# KiCad board panel.kicad_pcb
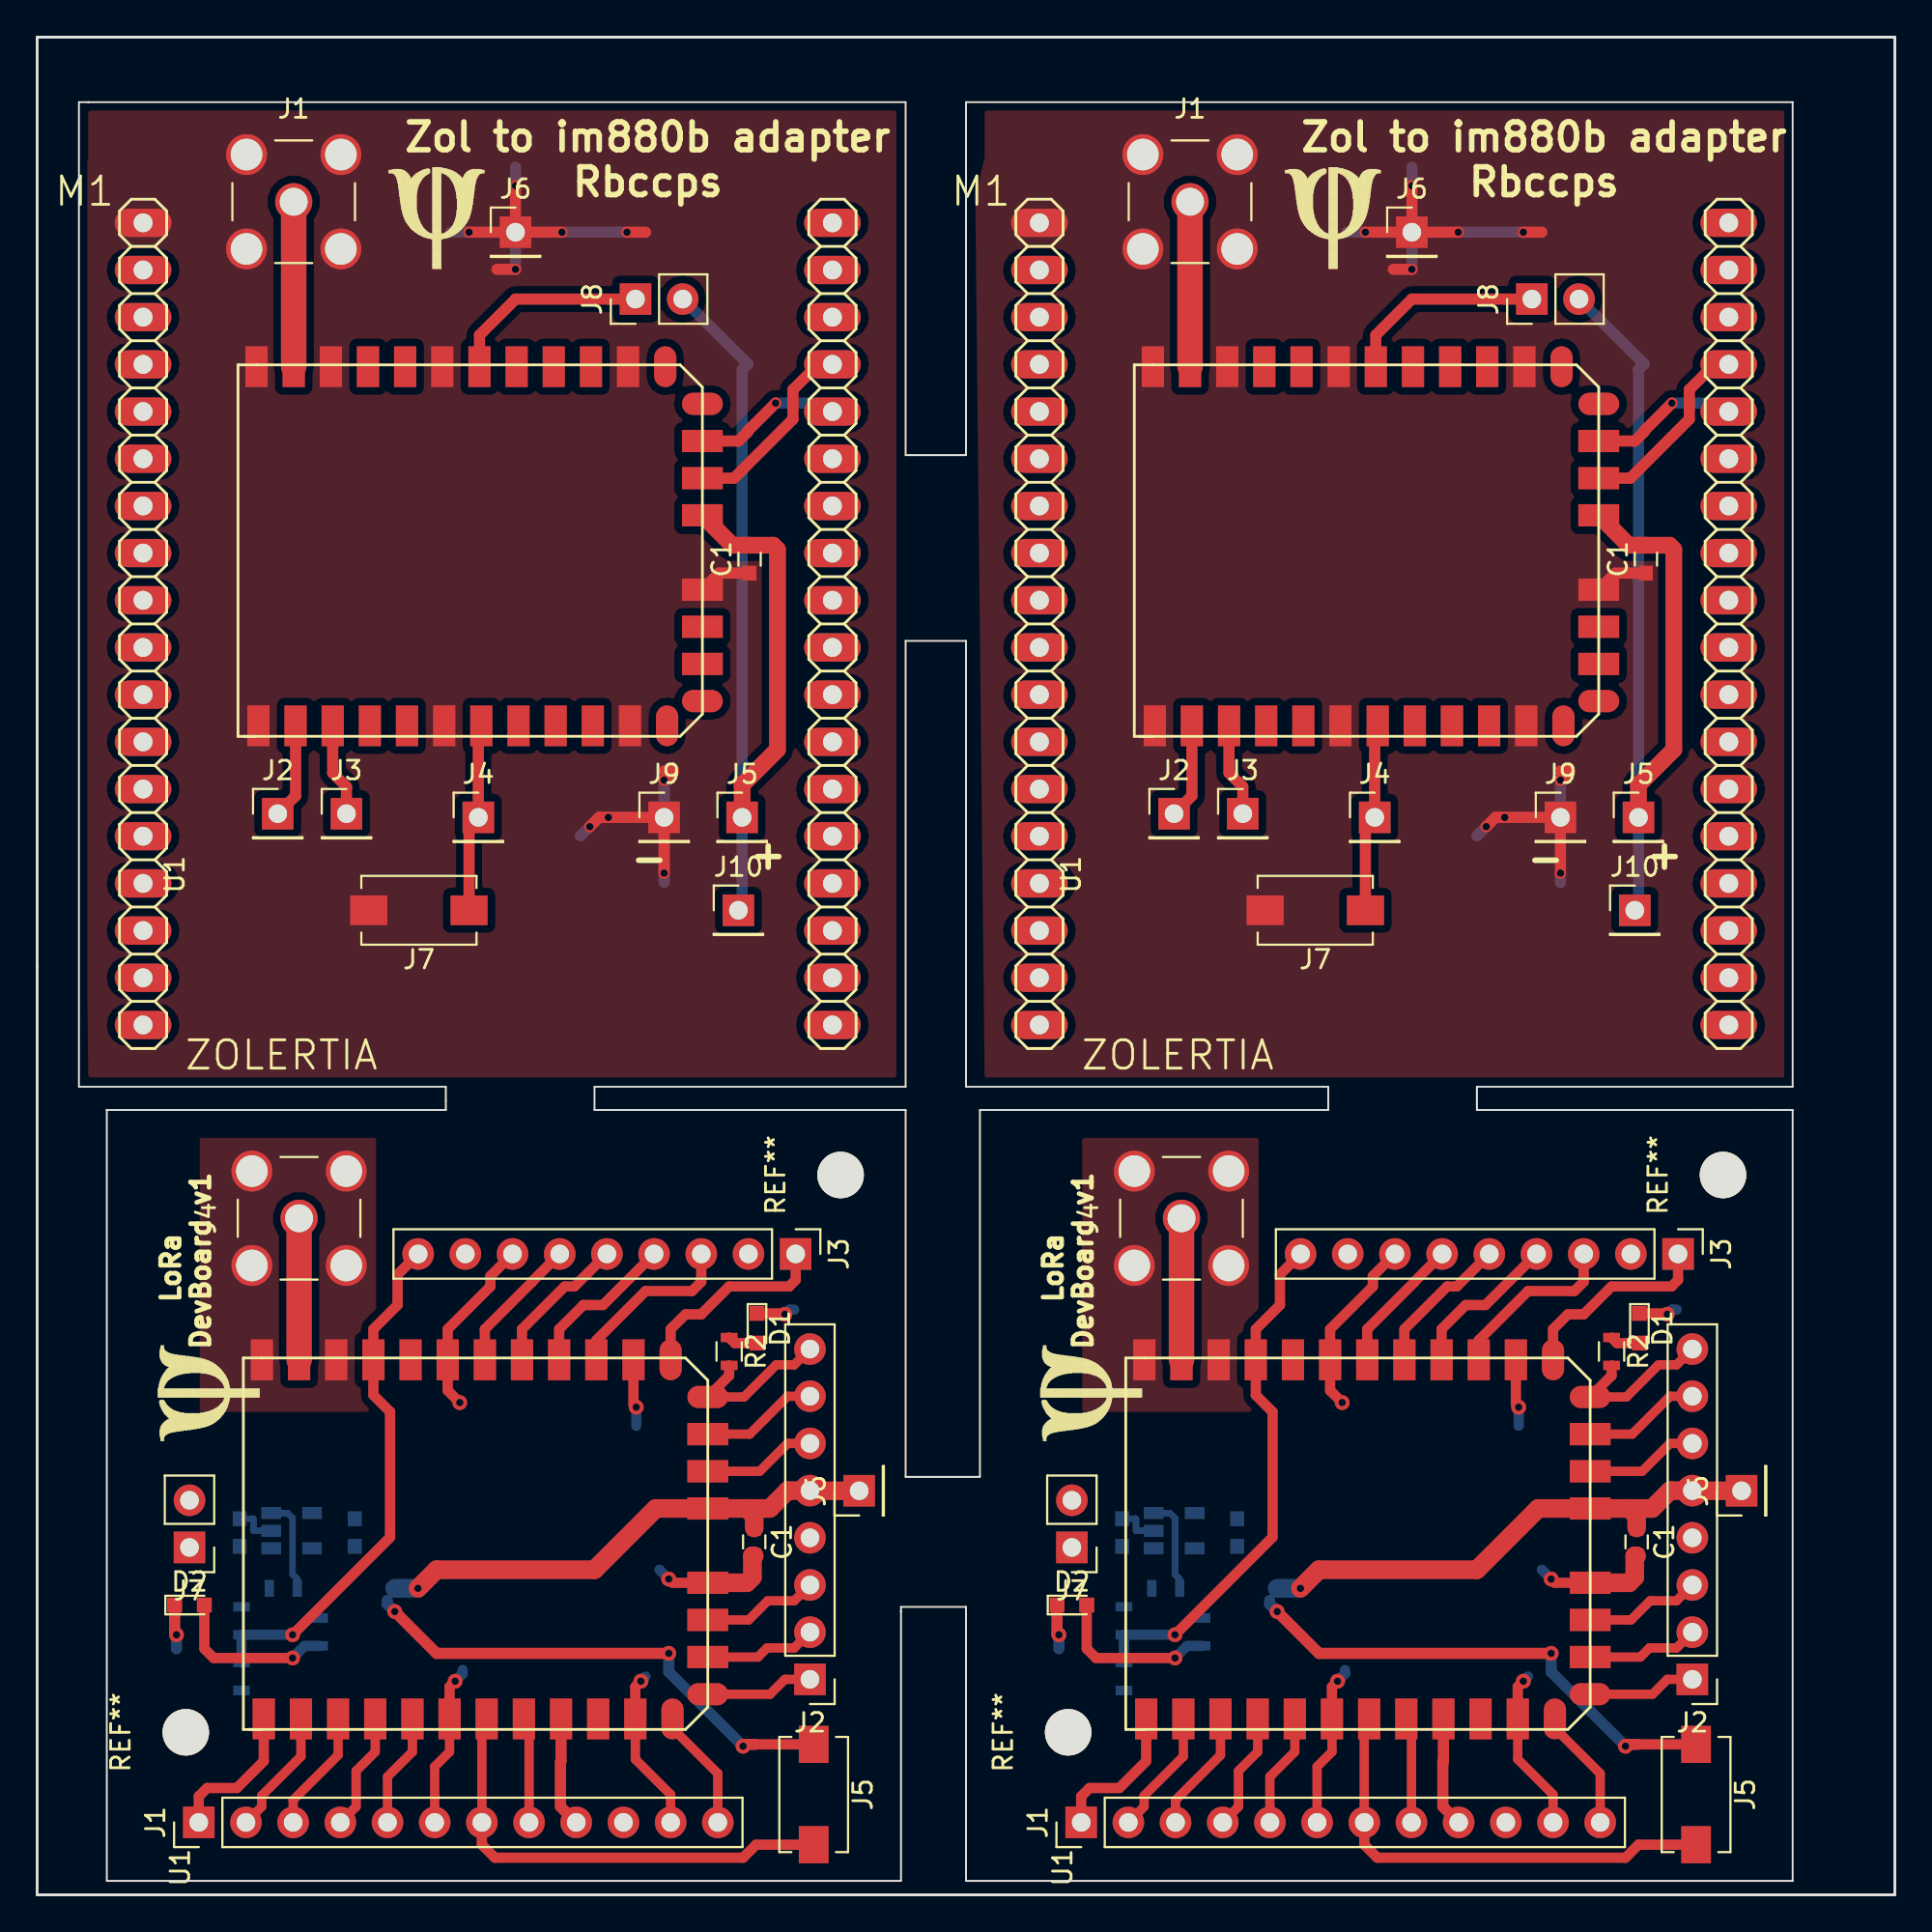
[diagram p0: board, top side]
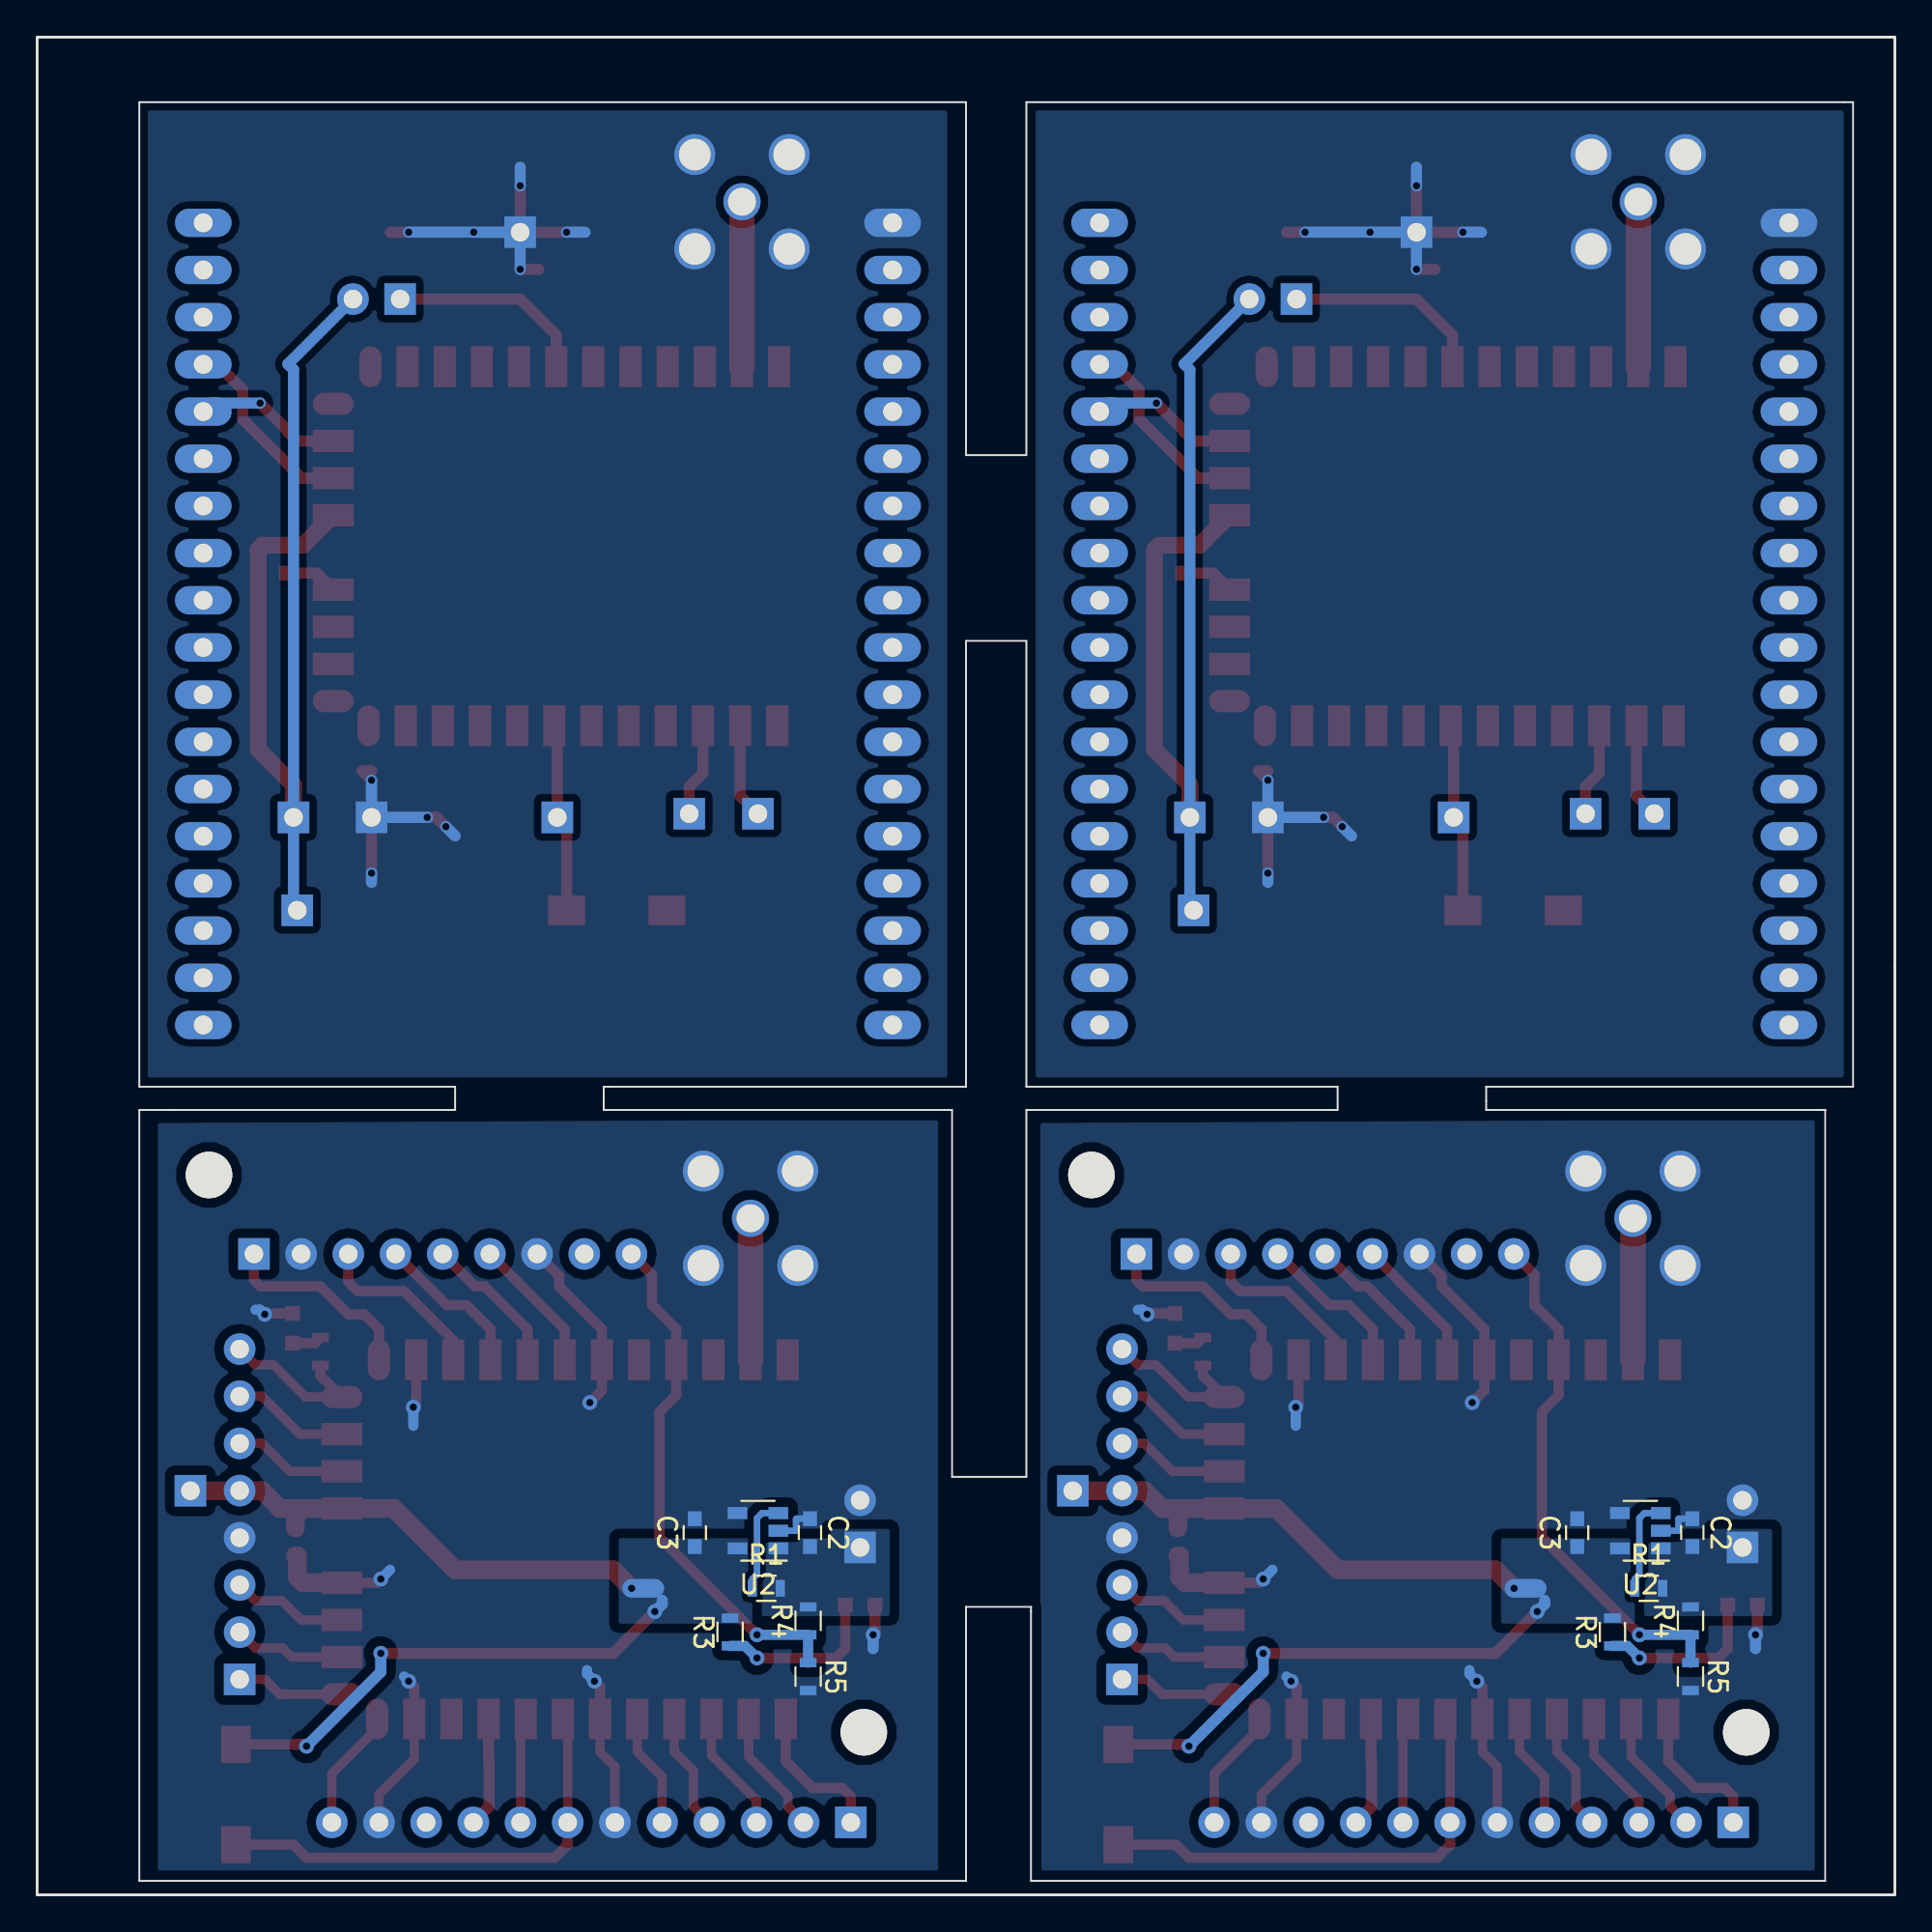
[diagram p1: board, bottom side, seen from below]

Outline 100 x 100 mm; copper layers: Top, Bottom. Coordinates in mm from the lower left corner of the outline.
Outline path: 0,100 100,100 100,0 0,0 0,100 ; 2.25,96.5 46.75,96.5 46.75,77.5 50,77.5 50,96.5 94.5,96.5 94.5,43.5 77.5,43.5 77.5,42.25 94.5,42.25 94.5,0.75 50,0.75 50,15.5 46.5,15.5 46.5,0.75 3.75,0.75 3.75,42.25 22,42.25 22,43.5 2.25,43.5 2.25,96.5 ; 30,43.5 30,42.25 46.75,42.25 46.75,22.5 50.75,22.5 50.75,42.25 69.5,42.25 69.5,43.5 50,43.5 50,67.5 46.75,67.5 46.75,43.5 30,43.5

## Placement (name value [footprint] x y rotation side)
C1  0.1u  [C_0603]  38.6 19 270 top
C1#2  0.1u  [C_0603]  86.1 19 270 top
C1#3  1uF  [C_0603]  38.35 71.9 90 top
C1#4  1uF  [C_0603]  86.6 71.9 90 top
C2  1u  [C_0603]  10.9 19.5 270 bottom
C2#2  1u  [C_0603]  58.4 19.5 270 bottom
C3  1u  [C_0603]  17.1 19.5 90 bottom
C3#2  1u  [C_0603]  64.6 19.5 90 bottom
D1  LED  [LED_0603]  38.75 30.5 270 top
D1#2  LED  [LED_0603]  86.25 30.5 270 top
D2  LED  [LED_0603]  8.2 15.6 0 top
D2#2  LED  [LED_0603]  55.7 15.6 0 top
J1  CONN_01X12  [Pin_Header_Straight_1x12_Pitch2.54mm]  8.7 3.9 90 top
J1#2  CONN_01X12  [Pin_Header_Straight_1x12_Pitch2.54mm]  56.2 3.9 90 top
J1#3  CONN_COAXIAL  [SMA_THT_Jack_Straight]  13.81 91.14 0 top
J1#4  CONN_COAXIAL  [SMA_THT_Jack_Straight]  62.06 91.14 0 top
J2  CONN_01X08  [Pin_Header_Straight_1x08_Pitch2.54mm]  41.6 11.6 180 top
J2#2  CONN_01X08  [Pin_Header_Straight_1x08_Pitch2.54mm]  89.1 11.6 180 top
J2#3  CONN_01X01  [Pin_Header_Straight_1x01_Pitch2.54mm]  12.95 58.2 0 top
J2#4  CONN_01X01  [Pin_Header_Straight_1x01_Pitch2.54mm]  61.2 58.2 0 top
J3  CONN_01X09  [Pin_Header_Straight_1x09_Pitch2.54mm]  40.83 34.5 270 top
J3#2  CONN_01X09  [Pin_Header_Straight_1x09_Pitch2.54mm]  88.33 34.5 270 top
J3#3  CONN_01X01  [Pin_Header_Straight_1x01_Pitch2.54mm]  16.65 58.2 0 top
J3#4  CONN_01X01  [Pin_Header_Straight_1x01_Pitch2.54mm]  64.9 58.2 0 top
J4  CONN_COAXIAL  [SMA_THT_Jack_Straight]  14.1 36.42 90 top
J4#2  CONN_COAXIAL  [SMA_THT_Jack_Straight]  61.6 36.42 90 top
J4#3  CONN_01X01  [Pin_Header_Straight_1x01_Pitch2.54mm]  23.75 58 0 top
J4#4  CONN_01X01  [Pin_Header_Straight_1x01_Pitch2.54mm]  72 58 0 top
J5  SwitchSPST  [SW_SPST_EVQPE1]  41.8 5.4 270 top
J5#2  SwitchSPST  [SW_SPST_EVQPE1]  89.3 5.4 270 top
J5#3  CONN_01X01  [Pin_Header_Straight_1x01_Pitch2.54mm]  37.95 58 0 top
J5#4  CONN_01X01  [Pin_Header_Straight_1x01_Pitch2.54mm]  86.2 58 0 top
J6  CONN_01X01  [Pin_Header_Straight_1x01_Pitch2.54mm]  44.25 21.75 90 top
J6#2  CONN_01X01  [Pin_Header_Straight_1x01_Pitch2.54mm]  91.75 21.75 90 top
J6#3  CONN_01X01  [Pin_Header_Straight_1x01_Pitch2.54mm]  25.75 89.5 0 top
J6#4  CONN_01X01  [Pin_Header_Straight_1x01_Pitch2.54mm]  74 89.5 0 top
J7  PWR  [Pin_Header_Straight_1x02_Pitch2.54mm]  8.2 18.7 180 top
J7#2  PWR  [Pin_Header_Straight_1x02_Pitch2.54mm]  55.7 18.7 180 top
J7#3  Push Button  [SW_SPST_EVQPE1]  20.55 53 180 top
J7#4  Push Button  [SW_SPST_EVQPE1]  68.8 53 180 top
J8  CONN_01X02  [Pin_Header_Straight_1x02_Pitch2.54mm]  32.21 85.9 90 top
J8#2  CONN_01X02  [Pin_Header_Straight_1x02_Pitch2.54mm]  80.46 85.9 90 top
J9  CONN_01X01  [Pin_Header_Straight_1x01_Pitch2.54mm]  33.75 58 0 top
J9#2  CONN_01X01  [Pin_Header_Straight_1x01_Pitch2.54mm]  82 58 0 top
J10  CONN_01X01  [Pin_Header_Straight_1x01_Pitch2.54mm]  37.75 53 0 top
J10#2  CONN_01X01  [Pin_Header_Straight_1x01_Pitch2.54mm]  86 53 0 top
LOGO  -  [logo]  6.5 24.25 90 top
LOGO#2  -  [logo]  54 24.25 90 top
LOGO#3  -  [logo]  18.75 93 0 top
LOGO#4  -  [logo]  67 93 0 top
M1  ZOLERTIA  [zolertia-ZOLERTIA]  23.25 73.5 0 top
M1#2  ZOLERTIA  [zolertia-ZOLERTIA]  71.5 73.5 0 top
R1  10k  [R_0603]  13.25 16.5 180 bottom
R1#2  10k  [R_0603]  60.75 16.5 180 bottom
R2  10k  [R_0603]  37.25 29.25 270 top
R2#2  10k  [R_0603]  84.75 29.25 270 top
R3  10k  [R_0603]  15.2 14.15 90 bottom
R3#2  10k  [R_0603]  62.7 14.15 90 bottom
R4  33k  [R_0603]  11 14.75 90 bottom
R4#2  33k  [R_0603]  58.5 14.75 90 bottom
R5  10k  [R_0603]  11 11.75 270 bottom
R5#2  10k  [R_0603]  58.5 11.75 270 bottom
REF**  -  [MountingHole_2.5mm]  43.25 38.75 90 top
REF**#2  -  [MountingHole_2.5mm]  90.75 38.75 90 top
REF**#3  -  [MountingHole_2.5mm]  8 8.75 90 top
REF**#4  -  [MountingHole_2.5mm]  55.5 8.75 90 top
U1  -  [im880b]  11.91 62.93 90 top
U1#2  -  [im880b]  60.16 62.93 90 top
U1#3  -  [im880b]  12.2 9.47 90 top
U1#4  -  [im880b]  59.7 9.47 90 top
U2  LDO-TPS78233  [SOT-23-5]  13.7 19.6 0 bottom
U2#2  LDO-TPS78233  [SOT-23-5]  61.2 19.6 0 bottom

## Footprints (pads in the part's own frame, mm; a bottom-side part is the same pattern mirrored in y, then rotated)
C_0603
  rect 0.8x0.75 smd: 1(-0.75,0) 2(0.75,0)
im880b
  rect 2.2x1.2 smd: 1(0,0) 2(0,-2) 3(0,-4) 4(0,-6) 5(0,-8) 6(0,-10) 7(0,-12) 8(0,-14) 9(0,-16) 10(0,-18) 11(0,-20) 22(19.33,-19.9) 23(19.33,-17.9) 24(19.33,-15.9) 25(19.33,-13.9) 26(19.33,-11.9) 27(19.33,-9.9) 28(19.33,-7.9) 29(19.33,-5.9) 30(19.33,-3.9) 31(19.33,-1.9) 32(19.33,0.1)
  oval 2.2x1.2 smd: 12(0,-22) 21(19.33,-21.9)
  oval 1.2x2.2 smd: 13(1.33,-23.9) 20(17.33,-23.9)
  rect 1.2x2.2 smd: 14(3.33,-23.9) 15(5.33,-23.9) 16(7.33,-23.9) 17(11.33,-23.9) 18(13.33,-23.9) 19(15.33,-23.9)
LED_0603
  rect 0.8x0.8 smd: 1(-0.8,0) 2(0.8,0)
MountingHole_2.5mm
  round 2.5 hole 2.5 unplated: (0,0)
Pin_Header_Straight_1x01_Pitch2.54mm
  rect 1.7x1.7 hole 1: 1(0,0)
Pin_Header_Straight_1x02_Pitch2.54mm
  rect 1.7x1.7 hole 1: 1(0,0)
  oval 1.7x1.7 hole 1: 2(0,-2.54)
Pin_Header_Straight_1x08_Pitch2.54mm
  rect 1.7x1.7 hole 1: 1(0,0)
  oval 1.7x1.7 hole 1: 2(0,-2.54) 3(0,-5.08) 4(0,-7.62) 5(0,-10.16) 6(0,-12.7) 7(0,-15.24) 8(0,-17.78)
Pin_Header_Straight_1x09_Pitch2.54mm
  rect 1.7x1.7 hole 1: 1(0,0)
  oval 1.7x1.7 hole 1: 2(0,-2.54) 3(0,-5.08) 4(0,-7.62) 5(0,-10.16) 6(0,-12.7) 7(0,-15.24) 8(0,-17.78) 9(0,-20.32)
Pin_Header_Straight_1x12_Pitch2.54mm
  rect 1.7x1.7 hole 1: 1(0,0)
  oval 1.7x1.7 hole 1: 2(0,-2.54) 3(0,-5.08) 4(0,-7.62) 5(0,-10.16) 6(0,-12.7) 7(0,-15.24) 8(0,-17.78) 9(0,-20.32) 10(0,-22.86) 11(0,-25.4) 12(0,-27.94)
R_0603
  rect 0.5x0.9 smd: 1(-0.75,0) 2(0.75,0)
SMA_THT_Jack_Straight
  round 2 hole 1.5: 1(0,0)
  round 2.2 hole 1.7: 2(-2.54,2.54) 2(-2.54,-2.54) 2(2.54,2.54) 2(2.54,-2.54)
SOT-23-5
  rect 1.06x0.65 smd: 1(-1.1,0.95) 2(-1.1,0) 3(-1.1,-0.95) 4(1.1,-0.95) 5(1.1,0.95)
SW_SPST_EVQPE1
  rect 2x1.6 smd: 1(-2.7,0) 2(2.7,0)
zolertia-ZOLERTIA
  oval 3.048x1.524 hole 1.016: 1(-17.549,16.51) 2(-17.549,13.97) 3(-17.549,11.43) 4(-17.549,8.89) 5(-17.549,6.35) 6(-17.549,3.81) 7(-17.549,1.27) 8(-17.549,-1.27) 9(-17.549,-3.81) 10(-17.549,-6.35) 11(-17.549,-8.89) 12(-17.549,-11.43) 13(-17.549,-13.97) 14(-17.549,-16.51) 15(-17.549,-19.05) 16(-17.549,-21.59) 17(-17.549,-24.13) 18(-17.549,-26.67) 19(19.558,-26.67) 20(19.558,-24.13) 21(19.558,-21.59) 22(19.558,-19.05) 23(19.558,-16.51) 24(19.558,-13.97) 25(19.558,-11.43) 26(19.558,-8.89) 27(19.558,-6.35) 28(19.558,-3.81) 29(19.558,-1.27) 30(19.558,1.27) 31(19.558,3.81) 32(19.558,6.35) 33(19.558,8.89) 34(19.558,11.43) 35(19.558,13.97) 36(19.558,16.51)

## Nets
+3V3: C1.1 C1#2.1 C3.1 C3#2.1 J2.5 J2#2.5 J5.1 J5#2.1 J6.1 J6#2.1 R3.2 R3#2.2 U1#3.17 U1#4.17 U2.5 U2#2.5
/3V3: C1#3.2 C1#4.2 J5#3.1 J5#4.1 J8.2 J8#2.2 J10.1 J10#2.1 U1.17 U1#2.17
GND: C1.2 C1#2.2 C1#3.1 C1#4.1 C2.1 C2#2.1 C3.2 C3#2.2 D1.1 D1#2.1 D2.1 D2#2.1 J1.6 J1.11 J1#2.6 J1#2.11 J1#3.2 J1#4.2 J2.4 J2#2.4 J3.2 J3.7 J3#2.2 J3#2.7 J4.2 J4#2.2 J6#3.1 J6#4.1 J7.2 J7#2.2 J7#3.2 J7#4.2 J9.1 J9#2.1 M1.1 M1#2.1 R5.2 R5#2.2 U1.1 U1.6 U1.11 U1.16 U1.22 U1.27 U1.30 U1.32 U1#2.1 U1#2.6 U1#2.11 U1#2.16 U1#2.22 U1#2.27 U1#2.30 U1#2.32 U1#3.6 U1#3.11 U1#3.16 U1#3.22 U1#3.27 U1#3.30 U1#3.32 U1#4.6 U1#4.11 U1#4.16 U1#4.22 U1#4.27 U1#4.30 U1#4.32 U2.2 U2.4 U2#2.2 U2#2.4
+BATT: C2.2 C2#2.2 J7.1 J7#2.1 R1.2 R1#2.2 R4.2 R4#2.2 U2.1 U2#2.1
/1: J1.1 J1#2.1 U1#3.1 U1#4.1
/2: J1.2 J1#2.2 U1#3.2 U1#4.2
/3: J1.3 J1#2.3 U1#3.3 U1#4.3
/4: J1.4 J1#2.4 U1#3.4 U1#4.4
/5: J1.5 J1#2.5 U1#3.5 U1#4.5
/7: J1.7 J1#2.7 J5.2 J5#2.2 U1#3.7 U1#4.7
/8: J1.8 J1#2.8 U1#3.8 U1#4.8
/9: J1.9 J1#2.9 U1#3.9 U1#4.9
/12: J1.12 J1#2.12 U1#3.12 U1#4.12
/13: J2.1 J2#2.1 U1#3.13 U1#4.13
/14: J2.2 J2#2.2 U1#3.14 U1#4.14
/15: J2.3 J2#2.3 U1#3.15 U1#4.15
/18: J2.6 J2#2.6 U1#3.18 U1#4.18
/19: J2.7 J2#2.7 U1#3.19 U1#4.19
/20: J2.8 J2#2.8 R2.2 R2#2.2 U1#3.20 U1#4.20
/21: J3.1 J3#2.1 U1#3.21 U1#4.21
/23: J3.3 J3#2.3 U1#3.23 U1#4.23
/24: J3.4 J3#2.4 U1#3.24 U1#4.24
/25: J3.5 J3#2.5 U1#3.25 U1#4.25
/26: J3.6 J3#2.6 U1#3.26 U1#4.26
/29: J3.9 J3#2.9 R4.1 R4#2.1 R5.1 R5#2.1 U1#3.29 U1#4.29
/BOOT: J8.1 J8#2.1 U1.26 U1#2.26
/JTCK: J2#3.1 J2#4.1 U1.2 U1#2.2
/JTMS: J3#3.1 J3#4.1 U1.3 U1#2.3
/RESET: J4#3.1 J4#4.1 J7#3.1 J7#4.1 U1.7 U1#2.7
/RF: J1#3.1 J1#4.1 J4.1 J4#2.1 U1.31 U1#2.31 U1#3.31 U1#4.31
/RXD: M1.33 M1#2.33 U1.18 U1#2.18
/TXD: M1.32 M1#2.32 U1.19 U1#2.19
Net-(D1-Pad2): D1.2 D1#2.2 R2.1 R2#2.1
Net-(D2-Pad2): D2.2 D2#2.2 R3.1 R3#2.1
Net-(R1-Pad1): R1.1 R1#2.1 U2.3 U2#2.3

Pads without a net: J1 10; J1#2 10; J3 8; J3#2 8; M1 2 3 4 5 6 7 8 9 10 11 12 13 14 15 16 17 18 19 20 21 22 23 24 25 26 27 28 29 30 31 34 35 36; M1#2 2 3 4 5 6 7 8 9 10 11 12 13 14 15 16 17 18 19 20 21 22 23 24 25 26 27 28 29 30 31 34 35 36; U1 4 5 8 9 10 12 13 14 15 20 21 23 24 25 28 29; U1#2 4 5 8 9 10 12 13 14 15 20 21 23 24 25 28 29; U1#3 10 28; U1#4 10 28

## Via types
v1: diameter 0.6, hole 0.4, Top to Bottom, 20 vias
v2: diameter 0.8, hole 0.4, Top to Bottom, 26 vias

## Routing (per net, layer and track width the routed paths; a pad name or vN(x,y) marks a point on that pad's centre or on a via; arc(x,y) is an arc through that point)
+3V3: length 110.7
  Top w0.55: J5.1 38.65,8.1 ; J5#2.1 86.15,8.1
  Top w0.6: v2(34,13) 21.5,13 v2(19.25,15.25) ; 38.65,8.1 38.1,8.1 v2(38,8) ; 86.15,8.1 85.6,8.1 v2(85.5,8) ; v2(66.75,15.25) 69,13 v2(81.5,13)
  Top w1: 38.2,20.8 39.44,20.8 40.4,21.76 J2.5 41.61,21.75 J6.1 ; 38.2,20.8 U1#3.17 33.3,20.8 30,17.5 21.5,17.5 v2(20.5,16.5) ; 38.2,20.8 38.6,20.4 C1.1 ; 85.7,20.8 U1#4.17 80.8,20.8 77.5,17.5 69,17.5 v2(68,16.5) ; 85.7,20.8 86.94,20.8 87.9,21.76 J2#2.5 89.11,21.75 J6#2.1 ; 85.7,20.8 86.1,20.4 C1#2.1
  Bottom w0.6: v2(85.5,8) 81.5,12 v2(81.5,13) ; v2(38,8) 34,12 v2(34,13) ; v2(19.25,15.25) 18.85,15.65 18.85,15.85 ; 66.35,15.85 66.35,15.65 v2(66.75,15.25)
  Bottom w1: 66.75,16.5 v2(68,16.5) ; 19.25,16.5 v2(20.5,16.5)
/3V3: length 110
  Top w0.6: 38.25,57.7 J5#3.1 ; 86.5,57.7 J5#4.1
  Top w0.9: U1.17 37.42,72.65 C1#3.2 39.62,72.65 39.85,72.42 39.85,61.65 37.95,59.75 J5#3.1 ; U1#2.17 85.67,72.65 C1#4.2 87.88,72.65 88.1,72.42 88.1,61.65 86.2,59.75 J5#4.1
  Bottom w0.6: J8#2.2 86.5,82.4 86.2,82.1 J5#4.1 86.2,53.2 J10#2.1 ; J8.2 38.25,82.4 37.95,82.1 J5#3.1 37.95,53.2 J10.1
GND: length 164.1
  Top w0.5: U1#3.11 32.2,7.3 34.1,5.4 J1.11 ; J1#2.6 68.9,6.9 69.7,7.7 U1#4.6 ; J1#2.11 81.6,5.4 79.7,7.3 U1#4.11 ; U1#3.6 22.2,7.7 21.4,6.9 J1.6
  Top w0.55: v2(32.25,26.25) 32.1,26.4 U1#3.22 ; v2(22.75,26.5) 22.1,27.15 U1#3.27 22.1,30.45 24.4,32.75 24.4,33.31 J3.7 ; U1#4.16 81.7,16.8 v2(81.5,17) ; U1#3.11 32.2,11.2 v2(32.5,11.5) ; v2(34,17) 34.2,16.8 U1#3.16 ; v2(40.25,31.25) 40.2,31.3 D1.1 ; v2(22.5,11.5) 22.2,11.2 U1#3.6 ; v2(79.75,26.25) 79.6,26.4 U1#4.22 ; U1#4.6 69.7,11.2 v2(70,11.5) ; v2(70.25,26.5) 69.6,27.15 U1#4.27 69.6,30.45 71.9,32.75 71.9,33.31 J3#2.7 ; D1#2.1 87.7,31.3 v2(87.75,31.25) ; U1#4.11 79.7,11.2 v2(80,11.5)
  Top w0.6: J6#3.1 v1(25.75,92) ; J6#3.1 v1(28.25,89.5) ; J6#3.1 v1(23.25,89.5) ; 82,60.5 82.5,60.5 v1(82,60) ; v2(7.5,14) 7.4,14.1 D2.1 ; J6#4.1 v1(71.5,89.5) ; J6#4.1 v1(74,92) ; J6#4.1 v1(76.5,89.5) ; v1(79,58) 78.5,58 ; 78.5,58 J9#2.1 v1(82,55) ; 78.5,58 v1(78,57.5) ; U1#2.16 84.95,71.15 C1#4.1 ; C1#3.1 36.7,71.15 U1.16 ; 33.75,60.5 34.25,60.5 v1(33.75,60) ; v2(55,14) 54.9,14.1 D2#2.1 ; v1(33.75,55) J9.1 30.25,58 ; v1(31.75,89.5) 32.75,89.5 ; v1(80,89.5) 81,89.5 ; 30.25,58 v1(30.75,58) ; 30.25,58 v1(29.75,57.5) ; v1(74,87.5) 73,87.5 ; v1(25.75,87.5) 24.75,87.5
  Top w1: C1#2.2 86,18.25 86,17.1 85.7,16.8 U1#4.16 ; U1#3.16 38.2,16.8 38.5,17.1 38.5,18.25 C1.2
  Bottom w0.35: U2.2 11.65,19.6 11.65,20.22 11.62,20.25 C2.1 ; C2#2.1 59.12,20.25 59.15,20.22 59.15,19.6 U2#2.2
  Bottom w0.55: v2(79.75,26.25) 79.75,25.25 ; 70.4,12.1 70.4,11.9 v2(70,11.5) ; v2(40.25,31.25) 40.5,31.5 40.75,31.5 ; v2(80,11.5) 80.25,11.75 ; 22.9,12.1 22.9,11.9 v2(22.5,11.5) ; v2(32.25,26.25) 32.25,25.25 ; v2(87.75,31.25) 88,31.5 88.25,31.5 ; v2(81.5,17) 81,17.5 ; v2(32.5,11.5) 32.75,11.75 ; v2(34,17) 33.5,17.5
  Bottom w0.6: v1(78,57.5) 77.5,57 ; v1(82,60) J9#2.1 v1(79,58) ; v1(74,92) 74,93 ; v1(80,89.5) v1(76.5,89.5) J6#4.1 v1(74,87.5) ; 22.25,89.5 v1(23.25,89.5) ; 70.5,89.5 v1(71.5,89.5) ; v1(33.75,55) 33.75,54.5 ; v1(31.75,89.5) v1(28.25,89.5) J6#3.1 v1(25.75,87.5) ; v1(29.75,57.5) 29.25,57 ; v1(33.75,60) J9.1 v1(30.75,58) ; v1(25.75,92) 25.75,93 ; v2(7.5,14) 7.5,13.25 ; v1(82,55) 82,54.5 ; v2(55,14) 55,13.25
/1: length 15.9
  Top w0.55: U1#4.1 59.7,7.2 58.25,5.75 56.65,5.75 56.2,5.3 J1#2.1 ; U1#3.1 12.2,7.2 10.75,5.75 9.15,5.75 8.7,5.3 J1.1
/2: length 14.6
  Top w0.5: 61.7,8.97 U1#4.2 61.7,7.45 59.59,5.34 59.59,4.75 J1#2.2 ; J1.2 12.09,4.75 12.09,5.34 14.2,7.45 U1#3.2 14.2,8.97
/3: length 14.1
  Top w0.5: J1.3 13.78,5.1 16.2,7.52 U1#3.3 16.2,8.97 ; J1#2.3 61.28,5.1 63.7,7.52 U1#4.3 63.7,8.97
/4: length 12.7
  Top w0.5: J1.4 17.17,4.75 17.17,6.67 18.2,7.7 U1#3.4 ; U1#4.4 65.7,7.7 64.67,6.67 64.67,4.75 J1#2.4
/5: length 12.3
  Top w0.5: J1.5 18.86,6.36 20.2,7.7 U1#3.5 ; U1#4.5 67.7,7.7 66.36,6.36 J1#2.5
/7: length 50.6
  Top w0.5: U1#4.7 71.44,9.21 J1#2.7 ; J1.7 23.94,9.21 U1#3.7
  Top w0.55: J1.7 23.94,2.7 24.64,2 38,2 38.7,2.7 J5.2 ; J1#2.7 71.44,2.7 72.14,2 85.5,2 86.2,2.7 J5#2.2
/8: length 11.4
  Top w0.5: J1.8 26.48,9.19 U1#3.8 ; J1#2.8 73.98,9.19 U1#4.8
/9: length 11.9
  Top w0.6: U1#4.9 75.7,7.2 75.67,7.17 75.67,4.75 J1#2.9 ; J1.9 28.17,4.75 28.17,7.17 28.2,7.2 U1#3.9
/12: length 13.2
  Top w0.5: U1#4.12 81.7,8.97 84.14,6.53 J1#2.12 ; U1#3.12 34.2,8.97 36.64,6.53 J1.12
/13: length 11.7
  Top w0.5: J2#2.1 87.75,11.6 86.95,10.8 U1#4.13 ; U1#3.13 39.45,10.8 40.25,11.6 J2.1
/14: length 12.1
  Top w0.5: U1#4.14 86.3,12.8 86.79,13.29 88.25,13.29 J2#2.2 ; U1#3.14 38.8,12.8 39.29,13.29 40.75,13.29 J2.2
/15: length 12.6
  Top w0.5: U1#4.15 85.8,14.8 86.83,15.83 88.25,15.83 J2#2.3 ; U1#3.15 38.3,14.8 39.33,15.83 40.75,15.83 J2.3
/18: length 12.2
  Top w0.5: U1#4.18 86.4,22.8 87.9,24.3 J2#2.6 ; J2.6 40.4,24.3 38.9,22.8 U1#3.18
/19: length 12.7
  Top w0.5: U1#3.19 38.36,24.8 40.4,26.84 J2.7 ; U1#4.19 85.86,24.8 87.9,26.84 J2#2.7
/20: length 17.5
  Top w0.5: J2#2.8 88.25,28.53 87.28,28.53 85.55,26.8 U1#4.20 ; U1#3.20 38.05,26.8 39.78,28.53 40.75,28.53 J2.8
  Top w0.55: U1#3.20 37.25,27.95 R2.2 ; R2#2.2 84.75,27.95 U1#4.20
/21: length 21.8
  Top w0.55: J3.1 40.83,33.1 40.48,32.75 37.25,32.75 35.75,31.25 34.9,31.25 34.1,30.45 U1#3.21 ; U1#4.21 81.6,30.45 82.4,31.25 83.25,31.25 84.75,32.75 87.98,32.75 88.33,33.1 J3#2.1
/23: length 19
  Top w0.55: J3.3 35.75,33 35.25,32.5 32.75,32.5 30.1,29.85 U1#3.23 ; J3#2.3 83.25,33 82.75,32.5 80.25,32.5 77.6,29.85 U1#4.23
/24: length 16.9
  Top w0.55: J3.4 30.46,31.75 29.4,31.75 28.1,30.45 U1#3.24 ; J3#2.4 77.96,31.75 76.9,31.75 75.6,30.45 U1#4.24
/25: length 15.8
  Top w0.55: U1#3.25 26.1,30.45 28.4,32.75 28.92,32.75 J3.5 ; J3#2.5 76.42,32.75 75.9,32.75 73.6,30.45 U1#4.25
/26: length 14.7
  Top w0.55: U1#4.26 71.6,30.45 74.15,33 74.15,33.02 J3#2.6 ; J3.6 26.65,33.02 26.65,33 24.1,30.45 U1#3.26
/29: length 57.6
  Top w0.5: 18.1,29.3 U1#3.29 ; 65.6,29.3 U1#4.29
  Top w0.55: J3#2.9 66.9,33.39 66.9,31.75 65.6,30.45 U1#4.29 65.6,26.9 66.5,26 66.5,19.25 v2(61.25,14) ; J3.9 19.4,33.39 19.4,31.75 18.1,30.45 U1#3.29 18.1,26.9 19,26 19,19.25 v2(13.75,14)
  Bottom w0.55: v2(13.75,14) R4.1 R5.1 ; R5#2.1 R4#2.1 v2(61.25,14)
/BOOT: length 21.8
  Top w0.6: U1.26 23.81,83.96 25.75,85.9 J8.1 ; U1#2.26 72.06,83.96 74,85.9 J8#2.1
/JTCK: length 10.3
  Top w0.6: J2#4.1 62.16,59.16 U1#2.2 ; U1.2 13.91,59.16 J2#3.1
/JTMS: length 10.1
  Top w0.6: U1.3 15.91,60.39 16.65,59.65 J3#3.1 ; J3#4.1 64.9,59.65 64.16,60.39 U1#2.3
/RESET: length 20.4
  Top w0.6: U1.7 23.75,62.77 J4#3.1 23.25,57.5 J7#3.1 ; U1#2.7 72,62.77 J4#4.1 71.5,57.5 J7#4.1
/RF: length 33
  Top w0.7: 13.81,82.27 U1.31 ; 62.06,82.27 U1#2.31
  Top w1.37: U1#2.31 J1#4.1 ; U1#4.31 J4#2.1 ; U1#3.31 J4.1 ; U1.31 J1#3.1
/RXD: length 20.9
  Top w0.6: U1.18 37.51,76.26 40.69,79.44 40.69,81.02 42.05,82.39 M1.33 ; U1#2.18 85.76,76.26 88.94,79.44 88.94,81.02 90.3,82.39 M1#2.33
/TXD: length 17.3
  Top w0.6: 43.22,79.44 M1.32 ; 91.47,79.44 M1#2.32 ; U1#2.19 86.01,78.26 86.5,78.75 86.5,78.8 v1(88,80.3) ; v1(39.75,80.3) 38.25,78.8 38.25,78.75 37.76,78.26 U1.19
  Bottom w0.6: v1(88,80.3) 90.61,80.3 M1#2.32 ; v1(39.75,80.3) 42.36,80.3 M1.32
Net-(D1-Pad2): length 3.2
  Top w0.55: R2.1 37.55,29.7 D1.2 ; D1#2.2 85.05,29.7 R2#2.1
Net-(D2-Pad2): length 18.1
  Top w0.55: v2(61.25,12.75) 57,12.75 56.5,13.25 D2#2.2 ; D2.2 9,13.25 9.5,12.75 v2(13.75,12.75)
  Bottom w0.55: R3#2.1 61.9,13.4 v2(61.25,12.75) ; R3.1 14.4,13.4 v2(13.75,12.75)
Net-(R1-Pad1): length 10.3
  Bottom w0.35: U2.3 13.48,20.55 13.75,20.28 13.75,17.25 14,17 R1.1 ; U2#2.3 60.98,20.55 61.25,20.28 61.25,17.25 61.5,17 R1#2.1

## Copper pours and planes (outline as drawn; the poured copper is in the pictures)
+3V3 on Bottom: 14,14.6 14,19.2 21.2,19.2 21.2,14.6
+3V3 on Bottom: 61.5,14.6 61.5,19.2 68.7,19.2 68.7,14.6
GND on Top: 2.75,93.5 2.75,96.5 46.25,96.5 46.25,44 2.75,44 2.25,91.5
GND on Top: 56.25,26 56.25,40.75 65.75,40.75 65.75,26
GND on Top: 8.75,26 8.75,40.75 18.25,40.75 18.25,26
GND on Top: 51,93.5 51,96.5 94.5,96.5 94.5,44 51,44 50.5,91.5
GND on Bottom: 51.5,1.2 51.5,41.75 93.5,41.55 93.5,1
GND on Bottom: 4,1.2 4,41.75 46,41.55 46,1
GND on Bottom: 2.75,44 46.25,44 46.25,96.5 2.75,96.5
GND on Bottom: 51,44 94.5,44 94.5,96.5 51,96.5
+BATT on Bottom: 6.6,15 6.6,19.7 9.8,19.7 9.8,19.2 11.5,19.2 11.5,19 13.5,19 13.5,15
+BATT on Bottom: 54.1,15 54.1,19.7 57.3,19.7 57.3,19.2 59,19.2 59,19 61,19 61,15

## Text on the board
F.SilkS: LoRa / DevBoard v1 | Zol to im880b adapter / Rbccps | - | +
